# KiCad board JL.kicad_pcb (continued)
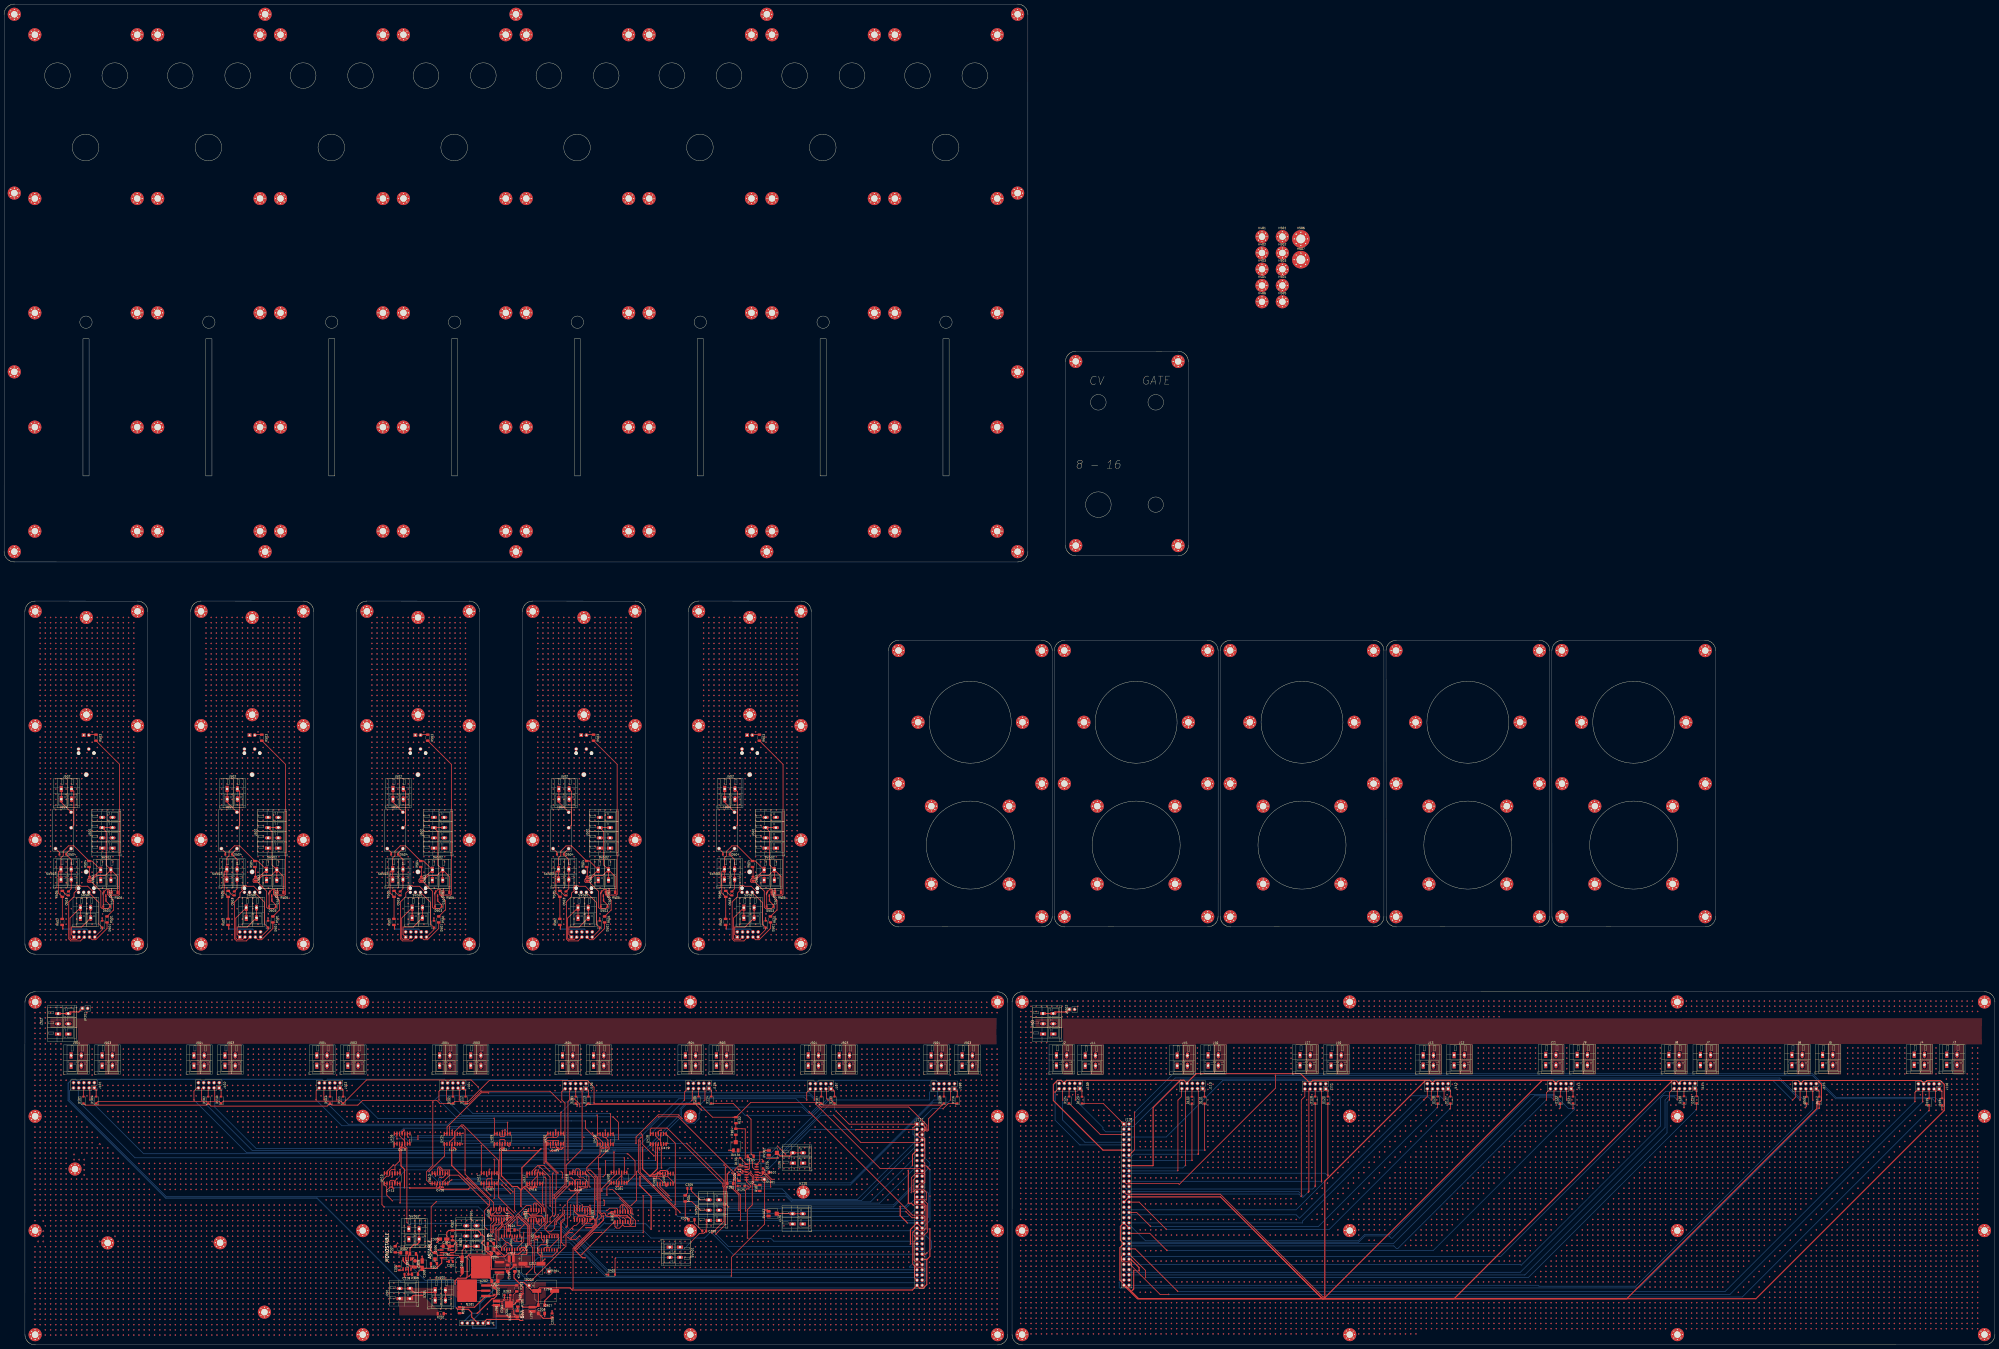
[diagram p0: board, top side]
## Routing (per net, layer and track width the routed paths; a pad name or vN(x,y) marks a point on that pad's centre or on a via; arc(x,y) is an arc through that point) (continued)
v1(144.61,164.83) v1(144.61,162.29) v1(144.61,144.51) v1(144.61,141.97) v1(144.61,139.43) v1(144.61,136.89) v1(144.61,134.35) v1(144.61,131.81) v1(144.61,126.73) v1(144.61,124.19) v1(144.61,121.65) v1(144.61,114.03) v1(144.61,111.49) v1(144.61,108.95) v1(144.61,106.41) v1(144.61,103.87) v1(144.61,101.33) v1(144.61,98.79) v1(144.61,88.63) v1(144.61,86.09) v1(144.61,83.55) v1(144.61,81.01) v1(144.61,78.47) v1(144.61,75.93) v1(144.61,68.31) v1(144.61,65.77) v1(144.61,63.23) v1(144.61,60.69) v1(144.61,58.15) v1(144.61,55.61) v1(144.61,53.07) v1(144.61,50.53) v1(144.61,47.99) v1(144.61,45.45) v1(144.61,42.91) v1(144.61,40.37) v1(144.61,37.83) v1(144.61,35.29) v1(144.61,32.75) v1(144.61,30.21) v1(144.61,27.67) v1(144.61,25.13) v1(144.61,22.59) v1(144.61,20.05) v1(144.61,17.51) v1(144.61,14.97) v1(144.61,12.43) v1(144.61,9.89) v1(144.61,7.35) v1(144.61,4.81) v1(147.15,167.37) v1(147.15,164.83) v1(147.15,162.29) v1(147.15,144.51) v1(147.15,141.97) v1(147.15,139.43) v1(147.15,136.89) v1(147.15,134.35) v1(147.15,131.81) v1(147.15,126.73) v1(147.15,124.19) v1(147.15,121.65) v1(147.15,114.03) v1(147.15,111.49) v1(147.15,108.95) v1(147.15,106.41) v1(147.15,103.87) v1(147.15,101.33) v1(147.15,98.79) v1(147.15,88.63) v1(147.15,86.09) v1(147.15,83.55) v1(147.15,81.01) v1(147.15,78.47) v1(147.15,75.93) v1(147.15,68.31) v1(147.15,65.77) v1(147.15,63.23) v1(147.15,60.69) v1(147.15,58.15) v1(147.15,55.61) v1(147.15,53.07) v1(147.15,50.53) v1(147.15,47.99) v1(147.15,45.45) v1(147.15,42.91) v1(147.15,40.37) v1(147.15,37.83) v1(147.15,35.29) v1(147.15,32.75) v1(147.15,30.21) v1(147.15,27.67) v1(147.15,25.13) v1(147.15,22.59) v1(147.15,20.05) v1(147.15,17.51) v1(147.15,14.97) v1(147.15,12.43) v1(147.15,9.89) v1(147.15,7.35) v1(147.15,4.81) v1(149.69,167.37) v1(149.69,164.83) v1(149.69,162.29) v1(149.69,126.73) v1(149.69,124.19) v1(149.69,121.65) v1(149.69,114.03) v1(149.69,111.49) v1(149.69,108.95) v1(149.69,106.41) v1(149.69,103.87) v1(149.69,101.33) v1(149.69,98.79) v1(149.69,88.63) v1(149.69,86.09) v1(149.69,83.55) v1(149.69,81.01) v1(149.69,78.47) v1(149.69,75.93) v1(149.69,68.31) v1(149.69,65.77) v1(149.69,63.23) v1(149.69,60.69) v1(149.69,58.15) v1(149.69,55.61) v1(149.69,53.07) v1(149.69,50.53) v1(149.69,47.99) v1(149.69,45.45) v1(149.69,42.91) v1(149.69,40.37) v1(149.69,37.83) v1(149.69,35.29) v1(149.69,32.75) v1(149.69,30.21) v1(149.69,27.67) v1(149.69,25.13) v1(149.69,22.59) v1(149.69,20.05) v1(149.69,17.51) v1(149.69,14.97) v1(149.69,12.43) v1(149.69,9.89) v1(149.69,7.35) v1(149.69,4.81) v1(152.23,167.37) v1(152.23,164.83) v1(152.23,162.29) v1(152.23,126.73) v1(152.23,114.03) v1(152.23,111.49) v1(152.23,108.95) v1(152.23,106.41) v1(152.23,103.87) v1(152.23,101.33) v1(152.23,98.79) v1(152.23,88.63) v1(152.23,86.09) v1(152.23,83.55) v1(152.23,81.01) v1(152.23,78.47) v1(152.23,75.93) v1(152.23,68.31) v1(152.23,65.77) v1(152.23,63.23) v1(152.23,60.69) v1(152.23,58.15) v1(152.23,55.61) v1(152.23,53.07) v1(152.23,50.53) v1(152.23,47.99) v1(152.23,45.45) v1(152.23,42.91) v1(152.23,40.37) v1(152.23,37.83) v1(152.23,35.29) v1(152.23,32.75) v1(152.23,30.21) v1(152.23,27.67) v1(152.23,25.13) v1(152.23,22.59) v1(152.23,20.05) v1(152.23,17.51) v1(152.23,14.97) v1(152.23,12.43) v1(152.23,9.89) v1(152.23,7.35) v1(152.23,4.81) v1(154.77,167.37) v1(154.77,164.83) v1(154.77,162.29) v1(154.77,121.65) v1(154.77,114.03) v1(154.77,111.49) v1(154.77,108.95) v1(154.77,106.41) v1(154.77,103.87) v1(154.77,101.33) v1(154.77,98.79) v1(154.77,88.63) v1(154.77,86.09) v1(154.77,83.55) v1(154.77,81.01) v1(154.77,78.47) v1(154.77,75.93) v1(154.77,65.77) v1(154.77,63.23) v1(154.77,60.69) v1(154.77,58.15) v1(154.77,55.61) v1(154.77,53.07) v1(154.77,50.53) v1(154.77,47.99) v1(154.77,45.45) v1(154.77,42.91) v1(154.77,40.37) v1(154.77,37.83) v1(154.77,35.29) v1(154.77,32.75) v1(154.77,30.21) v1(154.77,27.67) v1(154.77,25.13) v1(154.77,22.59) v1(154.77,20.05) v1(154.77,17.51) v1(154.77,14.97) v1(154.77,12.43) v1(154.77,9.89) v1(154.77,7.35) v1(154.77,4.81) v1(157.31,167.37) v1(157.31,164.83) v1(157.31,162.29) v1(157.31,121.65) v1(157.31,111.49) v1(157.31,108.95) v1(157.31,106.41) v1(157.31,103.87) v1(157.31,101.33) v1(157.31,98.79) v1(157.31,88.63) v1(157.31,86.09) v1(157.31,83.55) v1(157.31,81.01) v1(157.31,78.47) v1(157.31,75.93) v1(157.31,70.85) v1(157.31,63.23) v1(157.31,60.69) v1(157.31,58.15) v1(157.31,55.61) v1(157.31,53.07) v1(157.31,50.53) v1(157.31,47.99) v1(157.31,45.45) v1(157.31,42.91) v1(157.31,40.37) v1(157.31,37.83) v1(157.31,35.29) v1(157.31,32.75) v1(157.31,30.21) v1(157.31,27.67) v1(157.31,25.13) v1(157.31,22.59) v1(157.31,20.05) v1(157.31,17.51) v1(157.31,14.97) v1(157.31,12.43) v1(157.31,9.89) v1(157.31,7.35) v1(157.31,4.81) v1(159.85,167.37) v1(159.85,164.83) v1(159.85,162.29) v1(159.85,108.95) v1(159.85,106.41) v1(159.85,103.87) v1(159.85,101.33) v1(159.85,98.79) v1(159.85,88.63) v1(159.85,86.09) v1(159.85,83.55) v1(159.85,81.01) v1(159.85,78.47) v1(159.85,75.93) v1(159.85,70.85) v1(159.85,68.31) v1(159.85,60.69) v1(159.85,58.15) v1(159.85,55.61) v1(159.85,53.07) v1(159.85,50.53) v1(159.85,47.99) v1(159.85,45.45) v1(159.85,42.91) v1(159.85,40.37) v1(159.85,37.83) v1(159.85,35.29) v1(159.85,32.75) v1(159.85,30.21) v1(159.85,27.67) v1(159.85,25.13) v1(159.85,22.59) v1(159.85,20.05) v1(159.85,17.51) v1(159.85,14.97) v1(159.85,12.43) v1(159.85,9.89) v1(159.85,7.35) v1(159.85,4.81) v1(162.39,167.37) v1(162.39,164.83) v1(162.39,162.29) v1(162.39,144.51) v1(162.39,141.97) v1(162.39,139.43) v1(162.39,136.89) v1(162.39,134.35) v1(162.39,131.81) v1(162.39,106.41) v1(162.39,103.87) v1(162.39,101.33) v1(162.39,98.79) v1(162.39,88.63) v1(162.39,86.09) v1(162.39,83.55) v1(162.39,81.01) v1(162.39,78.47) v1(162.39,75.93) v1(162.39,70.85) v1(162.39,68.31) v1(162.39,65.77) v1(162.39,58.15) v1(162.39,55.61) v1(162.39,53.07) v1(162.39,50.53) v1(162.39,47.99) v1(162.39,45.45) v1(162.39,42.91) v1(162.39,40.37) v1(162.39,37.83) v1(162.39,35.29) v1(162.39,32.75) v1(162.39,30.21) v1(162.39,27.67) v1(162.39,25.13) v1(162.39,22.59) v1(162.39,20.05) v1(162.39,17.51) v1(162.39,14.97) v1(162.39,12.43) v1(162.39,9.89) v1(162.39,7.35) v1(162.39,4.81) v1(164.93,167.37) v1(164.93,164.83) v1(164.93,162.29) v1(164.93,114.03) v1(164.93,103.87) v1(164.93,101.33) v1(164.93,98.79) v1(164.93,88.63) v1(164.93,86.09) v1(164.93,83.55) v1(164.93,81.01) v1(164.93,78.47) v1(164.93,75.93) v1(164.93,70.85) v1(164.93,68.31) v1(164.93,65.77) v1(164.93,63.23) v1(164.93,55.61) v1(164.93,53.07) v1(164.93,50.53) v1(164.93,47.99) v1(164.93,45.45) v1(164.93,42.91) v1(164.93,40.37) v1(164.93,37.83) v1(164.93,35.29) v1(164.93,32.75) v1(164.93,30.21) v1(164.93,27.67) v1(164.93,25.13) v1(164.93,22.59) v1(164.93,20.05) v1(164.93,17.51) v1(164.93,14.97) v1(164.93,12.43) v1(164.93,9.89) v1(164.93,7.35) v1(164.93,4.81) v1(167.47,167.37) v1(167.47,164.83) v1(167.47,162.29) v1(167.47,126.73) v1(167.47,124.19) v1(167.47,114.03) v1(167.47,111.49) v1(167.47,103.87) v1(167.47,101.33) v1(167.47,98.79) v1(167.47,88.63) v1(167.47,86.09) v1(167.47,83.55) v1(167.47,81.01) v1(167.47,78.47) v1(167.47,75.93) v1(167.47,70.85) v1(167.47,68.31) v1(167.47,65.77) v1(167.47,63.23) v1(167.47,60.69) v1(167.47,53.07) v1(167.47,50.53) v1(167.47,47.99) v1(167.47,45.45) v1(167.47,42.91) v1(167.47,40.37) v1(167.47,37.83) v1(167.47,35.29) v1(167.47,32.75) v1(167.47,30.21) v1(167.47,27.67) v1(167.47,25.13) v1(167.47,22.59) v1(167.47,20.05) v1(167.47,17.51) v1(167.47,14.97) v1(167.47,12.43) v1(167.47,9.89) v1(167.47,7.35) v1(167.47,4.81) v1(170.01,167.37) v1(170.01,164.83) v1(170.01,162.29) v1(170.01,126.73) v1(170.01,114.03) v1(170.01,111.49) v1(170.01,108.95) v1(170.01,103.87) v1(170.01,101.33) v1(170.01,98.79) v1(170.01,88.63) v1(170.01,86.09) v1(170.01,83.55) v1(170.01,81.01) v1(170.01,78.47) v1(170.01,75.93) v1(170.01,70.85) v1(170.01,68.31) v1(170.01,65.77) v1(170.01,63.23) v1(170.01,60.69) v1(170.01,58.15) v1(170.01,50.53) v1(170.01,47.99) v1(170.01,45.45) v1(170.01,42.91) v1(170.01,40.37) v1(170.01,37.83) v1(170.01,35.29) v1(170.01,32.75) v1(170.01,30.21) v1(170.01,27.67) v1(170.01,25.13) v1(170.01,22.59) v1(170.01,20.05) v1(170.01,17.51) v1(170.01,14.97) v1(170.01,12.43) v1(170.01,9.89) v1(170.01,7.35) v1(170.01,4.81) v1(172.55,162.29) v1(172.55,121.65) v1(172.55,103.87) v1(172.55,101.33) v1(172.55,98.79) v1(172.55,88.63) v1(172.55,86.09) v1(172.55,83.55) v1(172.55,81.01) v1(172.55,78.47) v1(172.55,75.93) v1(172.55,70.85) v1(172.55,68.31) v1(172.55,65.77) v1(172.55,63.23) v1(172.55,60.69) v1(172.55,47.99) v1(172.55,45.45) v1(172.55,42.91) v1(172.55,40.37) v1(172.55,37.83) v1(172.55,35.29) v1(172.55,32.75) v1(172.55,30.21) v1(172.55,27.67) v1(172.55,25.13) v1(172.55,22.59) v1(172.55,20.05) v1(172.55,17.51) v1(172.55,14.97) v1(172.55,12.43) v1(172.55,9.89) v1(175.09,162.29) v1(175.09,124.19) v1(175.09,121.65) v1(175.09,103.87) v1(175.09,101.33) v1(175.09,98.79) v1(175.09,88.63) v1(175.09,86.09) v1(175.09,83.55) v1(175.09,81.01) v1(175.09,78.47) v1(175.09,75.93) v1(175.09,70.85) v1(175.09,68.31) v1(175.09,65.77) v1(175.09,63.23) v1(175.09,60.69) v1(175.09,45.45) v1(175.09,42.91) v1(175.09,40.37) v1(175.09,37.83) v1(175.09,35.29) v1(175.09,32.75) v1(175.09,30.21) v1(175.09,27.67) v1(175.09,25.13) v1(175.09,22.59) v1(175.09,20.05) v1(175.09,17.51) v1(175.09,14.97) v1(175.09,12.43) v1(175.09,9.89) v1(177.63,162.29) v1(177.63,144.51) v1(177.63,141.97) v1(177.63,139.43) v1(177.63,136.89) v1(177.63,134.35) v1(177.63,131.81) v1(177.63,126.73) v1(177.63,124.19) v1(177.63,121.65) v1(177.63,103.87) v1(177.63,101.33) v1(177.63,98.79) v1(177.63,88.63) v1(177.63,86.09) v1(177.63,83.55) v1(177.63,81.01) v1(177.63,78.47) v1(177.63,75.93) v1(177.63,70.85) v1(177.63,68.31) v1(177.63,65.77) v1(177.63,63.23) v1(177.63,60.69) v1(177.63,50.53) v1(177.63,42.91) v1(177.63,40.37) v1(177.63,37.83) v1(177.63,35.29) v1(177.63,32.75) v1(177.63,30.21) v1(177.63,27.67) v1(177.63,25.13) v1(177.63,22.59) v1(177.63,20.05) v1(177.63,17.51) v1(177.63,14.97) v1(177.63,12.43) v1(177.63,9.89) v1(180.17,167.37) v1(180.17,164.83) v1(180.17,162.29) v1(180.17,144.51) v1(180.17,141.97) v1(180.17,139.43) v1(180.17,136.89) v1(180.17,134.35) v1(180.17,131.81) v1(180.17,126.73) v1(180.17,124.19) v1(180.17,121.65) v1(180.17,116.57) v1(180.17,108.95) v1(180.17,103.87) v1(180.17,101.33) v1(180.17,98.79) v1(180.17,88.63) v1(180.17,86.09) v1(180.17,83.55) v1(180.17,81.01) v1(180.17,78.47) v1(180.17,75.93) v1(180.17,70.85) v1(180.17,68.31) v1(180.17,65.77) v1(180.17,63.23) v1(180.17,60.69) v1(180.17,58.15) v1(180.17,55.61) v1(180.17,53.07) v1(180.17,50.53) v1(180.17,47.99) v1(180.17,40.37) v1(180.17,37.83) v1(180.17,35.29) v1(180.17,32.75) v1(180.17,30.21) v1(180.17,27.67) v1(180.17,25.13) v1(180.17,22.59) v1(180.17,20.05) v1(180.17,17.51) v1(180.17,14.97) v1(180.17,12.43) v1(180.17,9.89) v1(180.17,7.35) v1(180.17,4.81) v1(182.71,167.37) v1(182.71,164.83) v1(182.71,162.29) v1(182.71,144.51) v1(182.71,141.97) v1(182.71,139.43) v1(182.71,136.89) v1(182.71,134.35) v1(182.71,131.81) v1(182.71,126.73) v1(182.71,124.19) v1(182.71,121.65) v1(182.71,116.57) v1(182.71,114.03) v1(182.71,108.95) v1(182.71,103.87) v1(182.71,101.33) v1(182.71,98.79) v1(182.71,88.63) v1(182.71,86.09) v1(182.71,83.55) v1(182.71,81.01) v1(182.71,78.47) v1(182.71,75.93) v1(182.71,70.85) v1(182.71,68.31) v1(182.71,65.77) v1(182.71,63.23) v1(182.71,60.69) v1(182.71,58.15) v1(182.71,55.61) v1(182.71,53.07) v1(182.71,50.53) v1(182.71,47.99) v1(182.71,45.45) v1(182.71,37.83) v1(182.71,35.29) v1(182.71,32.75) v1(182.71,30.21) v1(182.71,27.67) v1(182.71,25.13) v1(182.71,22.59) v1(182.71,20.05) v1(182.71,17.51) v1(182.71,14.97) v1(182.71,12.43) v1(182.71,9.89) v1(182.71,7.35) v1(182.71,4.81) v1(185.25,167.37) v1(185.25,164.83) v1(185.25,162.29) v1(185.25,144.51) v1(185.25,141.97) v1(185.25,139.43) v1(185.25,136.89) v1(185.25,134.35) v1(185.25,131.81) v1(185.25,126.73) v1(185.25,124.19) v1(185.25,121.65) v1(185.25,116.57) v1(185.25,114.03) v1(185.25,108.95) v1(185.25,103.87) v1(185.25,101.33) v1(185.25,98.79) v1(185.25,88.63) v1(185.25,86.09) v1(185.25,65.77) v1(185.25,63.23) v1(185.25,60.69) v1(185.25,58.15) v1(185.25,55.61) v1(185.25,53.07) v1(185.25,50.53) v1(185.25,47.99) v1(185.25,45.45) v1(185.25,42.91) v1(185.25,35.29) v1(185.25,32.75) v1(185.25,30.21) v1(185.25,27.67) v1(185.25,25.13) v1(185.25,22.59) v1(185.25,20.05) v1(185.25,17.51) v1(185.25,14.97) v1(185.25,12.43) v1(185.25,9.89) v1(185.25,7.35) v1(185.25,4.81) v1(187.79,167.37) v1(187.79,164.83) v1(187.79,162.29) v1(187.79,144.51) v1(187.79,141.97) v1(187.79,139.43) v1(187.79,136.89) v1(187.79,134.35) v1(187.79,131.81) v1(187.79,126.73) v1(187.79,124.19) v1(187.79,121.65) v1(187.79,116.57) v1(187.79,114.03) v1(187.79,108.95) v1(187.79,103.87) v1(187.79,101.33) v1(187.79,98.79) v1(187.79,88.63) v1(187.79,65.77) v1(187.79,63.23) v1(187.79,60.69) v1(187.79,58.15) v1(187.79,55.61) v1(187.79,53.07) v1(187.79,50.53) v1(187.79,47.99) v1(187.79,45.45) v1(187.79,42.91) v1(187.79,40.37) v1(187.79,32.75) v1(187.79,30.21) v1(187.79,27.67) v1(187.79,25.13) v1(187.79,22.59) v1(187.79,20.05) v1(187.79,17.51) v1(187.79,14.97) v1(187.79,12.43) v1(187.79,9.89) v1(187.79,7.35) v1(187.79,4.81) v1(190.33,167.37) v1(190.33,164.83) v1(190.33,162.29) v1(190.33,144.51) v1(190.33,141.97) v1(190.33,139.43) v1(190.33,136.89) v1(190.33,134.35) v1(190.33,131.81) v1(190.33,126.73) v1(190.33,124.19) v1(190.33,121.65) v1(190.33,116.57) v1(190.33,114.03) v1(190.33,108.95) v1(190.33,65.77) v1(190.33,63.23) v1(190.33,60.69) v1(190.33,58.15) v1(190.33,55.61) v1(190.33,53.07) v1(190.33,50.53) v1(190.33,42.91) v1(190.33,40.37) v1(190.33,30.21) v1(190.33,27.67) v1(190.33,25.13) v1(190.33,22.59) v1(190.33,20.05) v1(190.33,17.51) v1(190.33,14.97) v1(190.33,12.43) v1(190.33,9.89) v1(190.33,7.35) v1(190.33,4.81) v1(192.87,167.37) v1(192.87,164.83) v1(192.87,162.29) v1(192.87,144.51) v1(192.87,141.97) v1(192.87,139.43) v1(192.87,136.89) v1(192.87,134.35) v1(192.87,131.81) v1(192.87,126.73) v1(192.87,124.19) v1(192.87,121.65) v1(192.87,116.57) v1(192.87,114.03) v1(192.87,108.95) v1(192.87,65.77) v1(192.87,63.23) v1(192.87,60.69) v1(192.87,58.15) v1(192.87,55.61) v1(192.87,53.07) v1(192.87,47.99) v1(192.87,42.91) v1(192.87,40.37) v1(192.87,25.13) v1(192.87,12.43) v1(192.87,9.89) v1(192.87,7.35) v1(192.87,4.81) v1(195.41,167.37) v1(195.41,164.83) v1(195.41,162.29) v1(195.41,144.51) v1(195.41,141.97) v1(195.41,139.43) v1(195.41,136.89) v1(195.41,134.35) v1(195.41,131.81) v1(195.41,126.73) v1(195.41,124.19) v1(195.41,121.65) v1(195.41,116.57) v1(195.41,114.03) v1(195.41,108.95) v1(195.41,65.77) v1(195.41,63.23) v1(195.41,58.15) v1(195.41,55.61) v1(195.41,53.07) v1(195.41,50.53) v1(195.41,47.99) v1(195.41,25.13) v1(195.41,12.43) v1(195.41,9.89) v1(195.41,7.35) v1(195.41,4.81) v1(197.95,167.37) v1(197.95,164.83) v1(197.95,162.29) v1(197.95,144.51) v1(197.95,141.97) v1(197.95,139.43) v1(197.95,136.89) v1(197.95,134.35) v1(197.95,131.81) v1(197.95,126.73) v1(197.95,124.19) v1(197.95,121.65) v1(197.95,116.57) v1(197.95,114.03) v1(197.95,108.95) v1(197.95,83.55) v1(197.95,81.01) v1(197.95,78.47) v1(197.95,65.77) v1(197.95,63.23) v1(197.95,32.75) v1(197.95,12.43) v1(197.95,9.89) v1(197.95,7.35) v1(197.95,4.81) v1(200.49,167.37) v1(200.49,164.83) v1(200.49,162.29) v1(200.49,144.51) v1(200.49,141.97) v1(200.49,139.43) v1(200.49,136.89) v1(200.49,134.35) v1(200.49,131.81) v1(200.49,126.73) v1(200.49,124.19) v1(200.49,121.65) v1(200.49,116.57) v1(200.49,114.03) v1(200.49,108.95) v1(200.49,103.87) v1(200.49,83.55) v1(200.49,81.01) v1(200.49,78.47) v1(200.49,65.77) v1(200.49,63.23) v1(200.49,60.69) v1(200.49,58.15) v1(200.49,55.61) v1(200.49,53.07) v1(200.49,50.53) v1(200.49,32.75) v1(200.49,12.43) v1(200.49,9.89) v1(200.49,7.35) v1(200.49,4.81) v1(203.03,167.37) v1(203.03,164.83) v1(203.03,162.29) v1(203.03,144.51) v1(203.03,141.97) v1(203.03,139.43) v1(203.03,136.89) v1(203.03,134.35) v1(203.03,131.81) v1(203.03,126.73) v1(203.03,124.19) v1(203.03,121.65) v1(203.03,116.57) v1(203.03,114.03) v1(203.03,108.95) v1(203.03,103.87) v1(203.03,83.55) v1(203.03,81.01) v1(203.03,78.47) v1(203.03,65.77) v1(203.03,63.23) v1(203.03,60.69) v1(203.03,47.99) v1(203.03,45.45) v1(203.03,12.43) v1(203.03,9.89) v1(203.03,7.35) v1(203.03,4.81) v1(205.57,167.37) v1(205.57,164.83) v1(205.57,162.29) v1(205.57,144.51) v1(205.57,141.97) v1(205.57,139.43) v1(205.57,136.89) v1(205.57,134.35) v1(205.57,131.81) v1(205.57,126.73) v1(205.57,124.19) v1(205.57,121.65) v1(205.57,116.57) v1(205.57,114.03) v1(205.57,108.95) v1(205.57,103.87) v1(205.57,78.47) v1(205.57,65.77) v1(205.57,63.23) v1(205.57,60.69) v1(205.57,58.15) v1(205.57,55.61) v1(205.57,53.07) v1(205.57,50.53) v1(205.57,47.99) v1(205.57,45.45) v1(205.57,12.43) v1(205.57,9.89) v1(205.57,7.35) v1(205.57,4.81) v1(208.11,167.37) v1(208.11,164.83) v1(208.11,162.29) v1(208.11,126.73) v1(208.11,124.19) v1(208.11,121.65) v1(208.11,116.57) v1(208.11,114.03) v1(208.11,108.95) v1(208.11,103.87) v1(208.11,81.01) v1(208.11,42.91) v1(208.11,35.29) v1(208.11,32.75) v1(208.11,22.59) v1(208.11,12.43) v1(208.11,9.89) v1(208.11,7.35) v1(208.11,4.81) v1(210.65,167.37) v1(210.65,164.83) v1(210.65,162.29) v1(210.65,126.73) v1(210.65,124.19) v1(210.65,116.57) v1(210.65,114.03) v1(210.65,108.95) v1(210.65,103.87) v1(210.65,65.77) v1(210.65,63.23) v1(210.65,60.69) v1(210.65,58.15) v1(210.65,55.61) v1(210.65,47.99) v1(210.65,35.29) v1(210.65,32.75) v1(210.65,12.43) v1(210.65,9.89) v1(210.65,7.35) v1(210.65,4.81) v1(213.19,167.37) v1(213.19,164.83) v1(213.19,162.29) v1(213.19,116.57) v1(213.19,114.03) v1(213.19,108.95) v1(213.19,103.87) v1(213.19,65.77) v1(213.19,63.23) v1(213.19,60.69) v1(213.19,58.15) v1(213.19,55.61) v1(213.19,35.29) v1(213.19,32.75) v1(213.19,27.67) v1(213.19,25.13) v1(213.19,22.59) v1(213.19,20.05) v1(213.19,17.51) v1(213.19,14.97) v1(213.19,12.43) v1(213.19,9.89) v1(213.19,7.35) v1(213.19,4.81) v1(215.73,167.37) v1(215.73,164.83) v1(215.73,162.29) v1(215.73,114.03) v1(215.73,108.95) v1(215.73,65.77) v1(215.73,63.23) v1(215.73,60.69) v1(215.73,58.15) v1(215.73,37.83) v1(215.73,35.29) v1(215.73,32.75) v1(215.73,17.51) v1(215.73,12.43) v1(215.73,9.89) v1(215.73,7.35) v1(215.73,4.81) v1(218.27,167.37) v1(218.27,164.83) v1(218.27,162.29) v1(218.27,65.77) v1(218.27,63.23) v1(218.27,60.69) v1(218.27,58.15) v1(218.27,37.83) v1(218.27,35.29) v1(218.27,32.75) v1(218.27,22.59) v1(218.27,20.05) v1(218.27,17.51) v1(218.27,14.97) v1(218.27,12.43) v1(218.27,9.89) v1(218.27,7.35) v1(218.27,4.81) v1(220.81,167.37) v1(220.81,164.83) v1(220.81,162.29) v1(220.81,65.77) v1(220.81,63.23) v1(220.81,60.69) v1(220.81,58.15) v1(220.81,53.07) v1(220.81,40.37) v1(220.81,37.83) v1(220.81,35.29) v1(220.81,12.43) v1(220.81,9.89) v1(220.81,7.35) v1(220.81,4.81) v1(223.35,167.37) v1(223.35,164.83) v1(223.35,162.29) v1(223.35,65.77) v1(223.35,63.23) v1(223.35,60.69) v1(223.35,50.53) v1(223.35,20.05) v1(223.35,7.35) v1(223.35,4.81) v1(225.89,167.37) v1(225.89,164.83) v1(225.89,162.29) v1(225.89,65.77) v1(225.89,63.23) v1(225.89,60.69) v1(225.89,50.53) v1(225.89,45.45) v1(225.89,20.05) v1(225.89,7.35) v1(225.89,4.81) v1(228.43,167.37) v1(228.43,164.83) v1(228.43,162.29) v1(228.43,126.73) v1(228.43,124.19) v1(228.43,83.55) v1(228.43,65.77) v1(228.43,63.23) v1(228.43,60.69) v1(228.43,20.05) v1(228.43,4.81) v1(230.97,167.37) v1(230.97,164.83) v1(230.97,162.29) v1(230.97,116.57) v1(230.97,114.03) v1(230.97,83.55) v1(230.97,65.77) v1(230.97,63.23) v1(230.97,60.69) v1(230.97,45.45) v1(230.97,4.81) v1(233.51,167.37) v1(233.51,164.83) v1(233.51,162.29) v1(233.51,119.11) v1(233.51,116.57) v1(233.51,114.03) v1(233.51,63.23) v1(233.51,60.69) v1(233.51,45.45) v1(233.51,14.97) v1(233.51,4.81) v1(236.05,167.37) v1(236.05,164.83) v1(236.05,162.29) v1(236.05,119.11) v1(236.05,116.57) v1(236.05,114.03) v1(236.05,53.07) v1(236.05,17.51) v1(236.05,14.97) v1(236.05,4.81) v1(238.59,167.37) v1(238.59,164.83) v1(238.59,162.29) v1(238.59,144.51) v1(238.59,141.97) v1(238.59,139.43) v1(238.59,136.89) v1(238.59,134.35) v1(238.59,131.81) v1(238.59,126.73) v1(238.59,119.11) v1(238.59,116.57) v1(238.59,114.03) v1(238.59,53.07) v1(238.59,4.81) v1(241.13,167.37) 